# KiCad board data-center-dram-tester.kicad_pcb (continued)
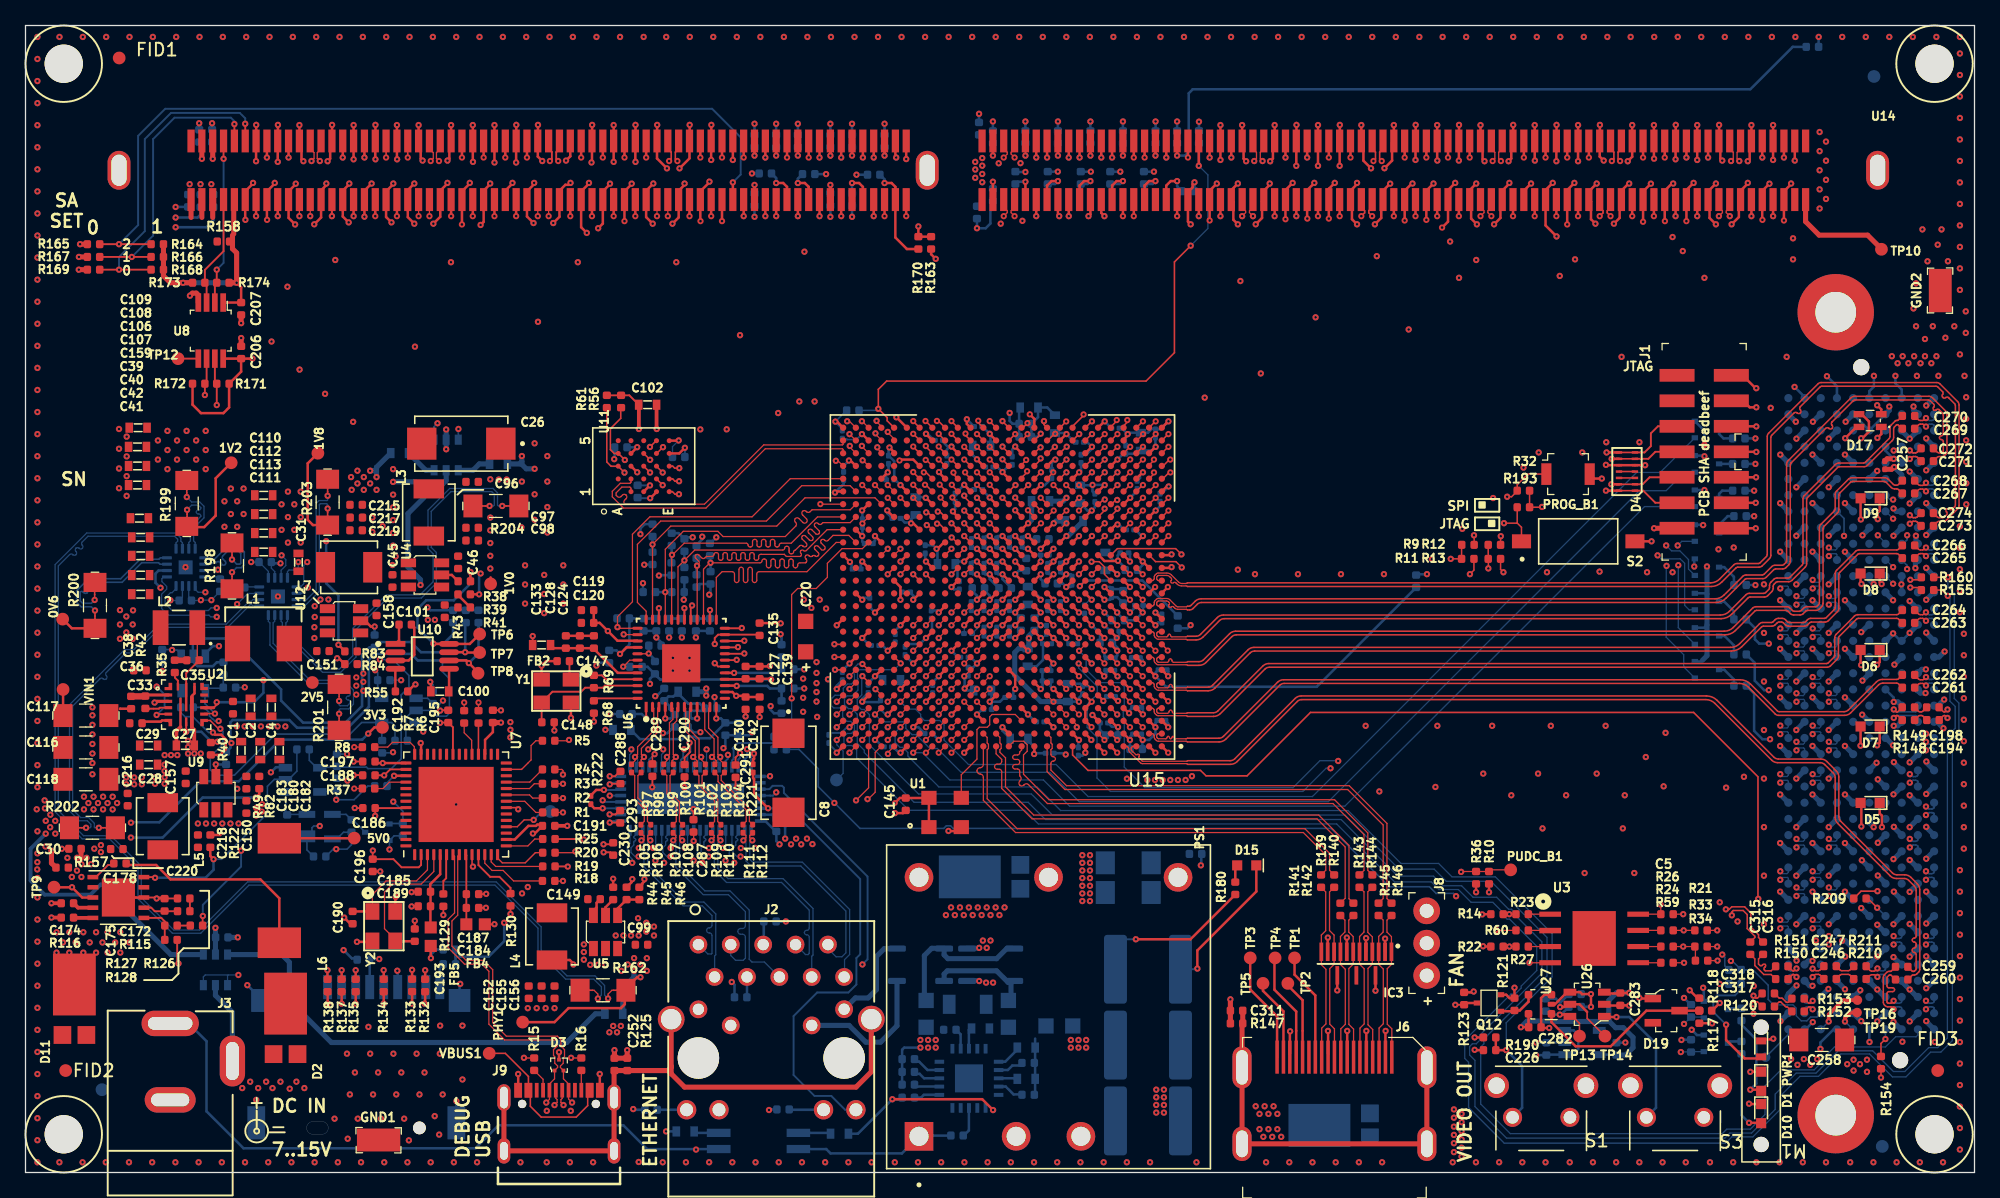
[diagram p0: board, top side]
## Routing (per net, layer and track width the routed paths; a pad name or vN(x,y) marks a point on that pad's centre or on a via; arc(x,y) is an arc through that point) (continued)
GTX_TX7_N: length 87.8
  Top w0.1: U15.P1 88.89,46.44 arc(88.85,46.45) 88.81,46.47 88.76,46.52 arc(88.74,46.56) 88.73,46.59 88.73,46.69 arc(88.74,46.73) 88.76,46.76 88.82,46.82 arc(88.85,46.84) 88.89,46.85 89.49,46.85 arc(89.65,46.82) 89.78,46.73 89.87,46.63 arc(89.91,46.55) 89.87,46.46 arc(89.84,46.37) 89.87,46.28 arc(89.96,46.24) 90.05,46.28 arc(90.14,46.32) 90.23,46.28 90.34,46.17 arc(90.5,46.06) 90.69,46.03 91.04,46.03 arc(91.09,46.01) 91.14,45.98
  Top w0.122: 91.14,45.98 132.23,45.98 arc(132.68,46.07) 133.06,46.32 134.17,47.44 arc(134.24,47.48) 134.31,47.5 135.98,47.5 arc(136.12,47.52) 136.24,47.6 136.81,48.17 arc(136.89,48.29) 136.91,48.43 136.91,57.7 arc(136.93,57.77) 136.97,57.84 138.73,59.6 arc(138.86,59.65) 138.98,59.6 arc(139.1,59.55) 139.23,59.6 arc(139.28,59.72) 139.23,59.85 arc(139.18,59.97) 139.23,60.09 140.77,61.64 arc(140.84,61.68) 140.91,61.7 149.87,61.7 arc(149.94,61.68) 150.01,61.64 150.38,61.26 arc(150.43,61.16) 150.38,61.05 arc(150.34,60.95) 150.38,60.84 150.42,60.8 arc(150.52,60.76) 150.63,60.8 arc(150.74,60.85) 150.84,60.8 151.33,60.32 arc(151.37,60.25) 151.39,60.18 151.39,52.38 arc(151.37,52.31) 151.33,52.24 151.13,52.05 arc(151.02,52) 150.91,52.05 150.91,52.05 arc(150.8,52.1) 150.69,52.05 arc(150.64,51.94) 150.69,51.83 150.69,51.83 arc(150.74,51.72) 150.69,51.61 150.53,51.44 arc(150.46,51.4) 150.39,51.38 150.1,51.38 arc(150.03,51.4) 149.96,51.44 C274.2
GTX_TX7_P: length 87.6
  Top w0.1: 91.14,46.27 91.13,46.26 arc(91.09,46.23) 91.03,46.22 90.73,46.22 arc(90.57,46.25) 90.44,46.33 89.88,46.89 arc(89.72,47) 89.54,47.04 88.85,47.04 arc(88.77,47.02) 88.71,46.98 88.6,46.87 arc(88.56,46.8) 88.54,46.73 88.54,46.61 arc(88.53,46.57) 88.51,46.54 88.45,46.47 arc(88.41,46.45) 88.37,46.44 U15.P2
  Top w0.122: 91.14,46.27 132.18,46.27 arc(132.56,46.35) 132.89,46.56 134,47.68 arc(134.12,47.76) 134.26,47.78 135.93,47.78 arc(136,47.8) 136.07,47.84 136.57,48.34 arc(136.61,48.41) 136.63,48.48 136.63,57.75 arc(136.65,57.89) 136.73,58.01 140.6,61.88 arc(140.72,61.96) 140.86,61.98 149.92,61.98 arc(150.06,61.96) 150.18,61.88 151.57,60.49 arc(151.65,60.37) 151.67,60.23 151.67,52.33 arc(151.65,52.19) 151.57,52.07 150.7,51.2 arc(150.58,51.12) 150.44,51.1 150.1,51.1 arc(150.03,51.08) 149.96,51.04 C273.2
HOT_SWAP_BUTTON: length 78.5
  Top w0.1: U15.C21 v1(68.64,34.94)
  Top w0.2: R190.2 C226.1 v1(116.15,9.6)
  Bottom w0.1: v1(68.64,34.94) 68.22,34.52 68.22,33.74 68.6,33.36 68.81,33.36 69.22,32.95 69.22,32.68 71.65,30.25 79.35,30.25 81.2,28.4 103.75,28.4 107.9,24.25 110.85,24.25 111.9,23.2 115.3,23.2 119.75,18.75 119.75,15.35 116.15,11.75 v1(116.15,9.6)
  Bottom w0.2: S1.1 117.4,5.08 117.4,8.35 v1(116.15,9.6)
HOT_SWAP_GREEN: length 78.7
  Top w0.1: U15.D23 v1(66.64,35.94)
  Bottom w0.1: Q9.1 130.15,54.95 128.7,53.5 126.6,53.5 102.2,29.1 82.65,29.1 80.35,31.4 73.4,31.4 71.53,33.27 70.94,33.27 69.85,34.36 69.54,34.36 69.06,34.84 69.06,35.14 68.84,35.36 67.22,35.36 v1(66.64,35.94)
HOT_SWAP_RED: length 78.6
  Top w0.1: U15.E21 v1(68.64,36.94)
  Bottom w0.1: v1(68.64,36.94) 69.22,36.36 69.81,36.36 70.22,35.95 70.22,35.77 70.52,35.47 71.72,35.47 72.06,35.13 72.06,33.93 73.97,32.02 80.83,32.02 83.35,29.5 100.95,29.5 126.38,54.93 128.23,54.93 Q10.1
HOT_SWAP_YELLOW: length 73.5
  Top w0.1: U15.A20 v1(69.64,32.94)
  Bottom w0.1: Q1.1 127,52.25 103.5,28.75 81.9,28.75 79.85,30.8 72.5,30.8 70.36,32.94 v1(69.64,32.94)
HR_CKN: length 23
  Top w0.1: U11.B1 47.5,53.69 47.41,53.78 46.78,53.78 46.33,53.33 46.33,53.14 46.43,53.04 arc(46.57,52.98) 46.71,53.04 46.83,53.16 arc(46.97,53.22) 47.11,53.16 arc(47.17,53.02) 47.11,52.87 47,52.76 arc(46.94,52.62) 47,52.47 47.03,52.44 53.26,52.44 57.91,57.09 64.08,57.09 64.14,57.15 U15.AE26
HR_CKP: length 23.2
  Top w0.1: U11.B2 47.5,54.16 47.42,54.08 46.66,54.08 46.03,53.45 46.03,53.02 46.91,52.14 53.38,52.14 58.03,56.79 64.08,56.79 64.14,56.73 U15.AD26
HR_CS: length 26.7
  Top w0.1: v1(63.57,55.84) 63.73,55.84 U15.AC26
  Top w0.127: 45.6,59.81 45.6,55.75 45.93,55.42 46.49,55.42 ; 46.49,55.42 v1(46.99,54.92)
  In7.Cu w0.1: v1(63.57,55.84) 63.47,55.84 62.03,54.4 61.57,54.4 59.77,52.6 50.5,52.6 49.51,53.59 49.51,55.13 49.24,55.4 47.47,55.4 v1(46.99,54.92)
HR_DQ0: length 21.5
  Top w0.1: U15.AE23 67.14,57.47 66.67,57.94 v1(66.67,58)
  Top w0.127: 49.48,55.42 v1(49.98,54.92)
  In7.Cu w0.1: v1(66.67,58) 66.67,57.68 66.59,57.6 66.35,57.6 66.14,57.81 66.14,58.17 65.91,58.4 64.38,58.4 63.58,57.6 62.12,57.6 61.72,57.2 61.07,57.2 58.68,54.8 51.17,54.8 51.05,54.92 50.9,54.92 arc(50.79,54.88) 50.75,54.77 50.75,54.47 arc(50.7,54.37) 50.6,54.32 arc(50.49,54.37) 50.45,54.47 50.45,54.77 arc(50.4,54.88) 50.3,54.92 v1(49.98,54.92)
HR_DQ1: length 22.4
  Top w0.1: v1(64.66,57.01) 64.66,56.92 U15.AD25
  Top w0.127: 49.48,54.43 v1(49.98,53.93)
  In7.Cu w0.1: v1(64.66,57.01) 64.35,56.7 62.9,56.7 62.81,56.61 arc(62.67,56.56) 62.53,56.61 arc(62.39,56.67) 62.25,56.62 arc(62.19,56.47) 62.25,56.33 arc(62.31,56.19) 62.25,56.05 62.1,55.9 61.5,55.9 59.3,53.7 56.89,53.7 arc(56.8,53.66) 56.76,53.58 arc(56.73,53.49) 56.64,53.45 56.54,53.45 arc(56.45,53.49) 56.41,53.58 56.41,53.83 arc(56.38,53.91) 56.29,53.95 56.19,53.95 arc(56.1,53.91) 56.06,53.83 56.06,53.58 arc(56.03,53.49) 55.94,53.45 55.84,53.45 arc(55.75,53.49) 55.72,53.58 55.72,53.83 arc(55.68,53.91) 55.59,53.95 55.49,53.95 arc(55.4,53.91) 55.37,53.83 55.37,53.58 arc(55.33,53.49) 55.24,53.45 55.14,53.45 arc(55.05,53.49) 55.01,53.58 55.01,53.83 arc(54.98,53.91) 54.89,53.95 54.79,53.95 arc(54.7,53.91) 54.66,53.83 54.66,53.58 arc(54.63,53.49) 54.54,53.45 54.44,53.45 arc(54.35,53.49) 54.31,53.58 arc(54.28,53.66) 54.19,53.7 51.16,53.7 51.1,53.64 arc(50.99,53.6) 50.89,53.64 50.64,53.89 arc(50.54,53.93) 50.43,53.89 arc(50.39,53.78) 50.43,53.67 50.68,53.43 arc(50.72,53.32) 50.68,53.22 50.64,53.18 50.43,53.18 49.98,53.63 v1(49.98,53.93)
HR_DQ2: length 20.8
  Top w0.1: U15.AF24 65.63,58.95 v1(65.61,58.95)
  Top w0.127: U11.C4 v1(49,55.92)
  In7.Cu w0.1: v1(49,55.92) 49.01,55.94 49.51,55.94 arc(49.67,55.87) 49.74,55.72 49.74,55.69 arc(49.8,55.53) 49.96,55.47 arc(50.12,55.53) 50.19,55.69 50.19,55.72 arc(50.25,55.87) 50.41,55.94 50.44,55.94 arc(50.56,55.89) 50.62,55.77 50.62,55.72 arc(50.67,55.59) 50.79,55.54 arc(50.91,55.59) 50.97,55.72 50.97,55.77 arc(51.02,55.89) 51.14,55.94 51.64,55.94 51.78,55.8 58,55.8 60.8,58.6 62.48,58.6 63.25,59.37 65.19,59.37 v1(65.61,58.95)
HR_DQ3: length 25
  Top w0.1: v1(67.64,58.11) 67.64,58.06 68.14,57.56 U15.AE22
  Top w0.127: 49.51,56.41 v1(50.01,56.91)
  In7.Cu w0.1: v1(50.01,56.91) 50.23,57.14 arc(50.35,57.19) 50.48,57.14 50.64,56.98 arc(50.76,56.93) 50.89,56.98 arc(50.94,57.1) 50.89,57.23 50.32,57.79 arc(50.27,57.92) 50.32,58.04 arc(50.44,58.09) 50.56,58.04 50.73,57.88 arc(50.85,57.83) 50.97,57.88 50.99,57.9 51.51,57.9 arc(51.65,57.84) 51.71,57.7 51.71,57.66 arc(51.77,57.52) 51.91,57.46 arc(52.05,57.52) 52.11,57.66 52.11,57.7 arc(52.17,57.84) 52.31,57.9 52.54,57.9 53.44,57 57.35,57 60.35,60 62.6,60 62.76,60.16 65.71,60.16 66.34,59.53 67.03,59.53 67.24,59.31 67.24,58.51 v1(67.64,58.11)
HR_DQ4: length 22.4
  Top w0.1: U15.AF23 67.14,58.54 66.76,58.92 v1(66.76,58.98)
  Top w0.127: v1(48.98,56.93) 49.48,57.43
  In7.Cu w0.1: v1(66.76,58.98) 66.32,58.98 65.49,59.81 63.01,59.81 62.5,59.3 60.65,59.3 57.75,56.4 53,56.4 arc(52.84,56.47) 52.78,56.62 52.78,56.98 arc(52.71,57.14) 52.55,57.2 arc(52.39,57.14) 52.32,56.98 52.32,56.62 arc(52.26,56.47) 52.1,56.4 49.51,56.4 v1(48.98,56.93)
HR_DQ5: length 20
  Top w0.1: v1(64.46,58.95) 64.63,58.95 U15.AF25
  Top w0.127: v1(51.29,55.27) 51.28,55.27 50.92,55.27 50.77,55.42 U11.E3
  In7.Cu w0.1: v1(51.29,55.27) 58.29,55.27 58.89,55.87 arc(58.92,55.96) 58.89,56.05 arc(58.85,56.13) 58.89,56.22 58.96,56.29 arc(59.05,56.33) 59.14,56.29 59.31,56.12 arc(59.4,56.08) 59.49,56.12 59.56,56.19 arc(59.6,56.27) 59.56,56.36 59.38,56.54 arc(59.35,56.63) 59.38,56.72 59.45,56.79 arc(59.54,56.82) 59.63,56.79 59.81,56.61 arc(59.9,56.57) 59.98,56.61 60.06,56.68 arc(60.09,56.77) 60.06,56.86 59.88,57.04 arc(59.84,57.12) 59.88,57.21 59.95,57.28 arc(60.04,57.32) 60.13,57.28 60.3,57.11 arc(60.39,57.07) 60.48,57.11 60.55,57.18 arc(60.59,57.26) 60.55,57.35 arc(60.51,57.44) 60.55,57.53 60.92,57.9 61,57.9 arc(61.14,57.84) 61.2,57.7 61.2,57.63 arc(61.26,57.49) 61.4,57.43 arc(61.54,57.49) 61.6,57.63 61.6,57.7 arc(61.66,57.84) 61.8,57.9 62.03,58.13 62.69,58.13 arc(62.83,58.19) 62.89,58.33 62.89,58.48 arc(62.95,58.62) 63.09,58.68 arc(63.23,58.62) 63.29,58.48 63.29,58.33 arc(63.35,58.19) 63.49,58.13 63.64,58.13 v1(64.46,58.95)
HR_DQ6: length 22.2
  Top w0.1: U15.AE25 v1(64.64,57.94)
  Top w0.127: U11.E2 50.77,54.42 50.95,54.24 v1(51.27,54.24)
  In7.Cu w0.1: v1(64.64,57.94) 63.85,57.15 62.28,57.15 61.63,56.5 61.3,56.5 61.19,56.39 arc(61.08,56.35) 60.98,56.39 arc(60.87,56.43) 60.77,56.39 60.73,56.35 arc(60.69,56.25) 60.73,56.14 60.94,55.93 arc(60.99,55.82) 60.94,55.72 60.91,55.68 arc(60.8,55.64) 60.7,55.68 60.48,55.9 arc(60.38,55.94) 60.27,55.9 60.24,55.86 arc(60.19,55.75) 60.24,55.65 60.45,55.44 arc(60.49,55.33) 60.45,55.22 60.41,55.19 arc(60.31,55.14) 60.2,55.19 59.99,55.4 arc(59.88,55.44) 59.78,55.4 59.74,55.36 arc(59.7,55.26) 59.74,55.15 59.95,54.94 arc(60,54.83) 59.95,54.73 59.92,54.69 arc(59.81,54.65) 59.71,54.69 59.49,54.91 arc(59.39,54.95) 59.28,54.91 59.25,54.87 arc(59.2,54.76) 59.25,54.66 arc(59.29,54.55) 59.25,54.45 59.03,54.23 58.85,54.23 arc(58.74,54.19) 58.7,54.08 arc(58.66,53.97) 58.55,53.93 58.5,53.93 arc(58.39,53.97) 58.35,54.08 58.35,54.4 arc(58.3,54.53) 58.18,54.58 arc(58.05,54.53) 58,54.4 58,54.08 arc(57.96,53.97) 57.85,53.93 57.8,53.93 arc(57.69,53.97) 57.65,54.08 57.65,54.4 arc(57.6,54.53) 57.48,54.58 arc(57.35,54.53) 57.3,54.4 57.3,54.08 arc(57.26,53.97) 57.15,53.93 57.1,53.93 arc(56.99,53.97) 56.95,54.08 arc(56.91,54.19) 56.8,54.23 56.62,54.23 56.43,54.42 56.23,54.42 56.04,54.23 51.28,54.23 v1(51.27,54.24)
HR_DQ7: length 24
  Top w0.1: v1(65.61,57.01) 65.61,56.97 U15.AD24
  Top w0.127: v1(51.26,53.22) 50.95,53.22 50.75,53.42 U11.E1
  In7.Cu w0.1: v1(65.61,57.01) 65.34,56.74 65.1,56.74 64.72,56.36 63.23,56.36 62.07,55.2 61.58,55.2 arc(61.47,55.16) 61.37,55.2 arc(61.26,55.24) 61.16,55.2 61.12,55.16 arc(61.08,55.06) 61.12,54.95 61.35,54.72 arc(61.4,54.6) 61.35,54.48 arc(61.23,54.42) 61.1,54.48 60.87,54.71 arc(60.77,54.75) 60.66,54.71 60.63,54.67 arc(60.58,54.56) 60.63,54.46 60.86,54.23 arc(60.91,54.1) 60.86,53.98 arc(60.73,53.93) 60.61,53.98 60.38,54.21 arc(60.27,54.25) 60.17,54.21 60.13,54.17 arc(60.09,54.07) 60.13,53.96 60.36,53.73 arc(60.41,53.61) 60.36,53.49 arc(60.24,53.43) 60.11,53.49 arc(59.99,53.54) 59.87,53.49 arc(59.83,53.4) 59.87,53.31 59.9,53.27 arc(59.94,53.18) 59.9,53.1 arc(59.81,53.06) 59.72,53.1 59.69,53.13 arc(59.6,53.17) 59.51,53.13 59.51,53.13 arc(59.46,53.1) 59.4,53.09 59.36,53.09 arc(59.26,53.13) 59.21,53.24 59.21,53.29 arc(59.16,53.41) 59.04,53.46 arc(58.91,53.41) 58.86,53.29 58.86,52.94 arc(58.83,52.85) 58.74,52.81 58.64,52.81 arc(58.55,52.85) 58.51,52.94 58.51,53.29 arc(58.46,53.41) 58.34,53.46 arc(58.21,53.41) 58.16,53.29 58.16,52.94 arc(58.13,52.85) 58.04,52.81 57.94,52.81 arc(57.85,52.85) 57.81,52.94 57.81,53.29 arc(57.76,53.41) 57.64,53.46 arc(57.51,53.41) 57.46,53.29 57.46,52.94 arc(57.43,52.85) 57.34,52.81 57.24,52.81 arc(57.15,52.85) 57.11,52.94 arc(57.08,53.03) 56.99,53.06 51.97,53.06 51.81,53.22 v1(51.26,53.22)
HR_RST: length 29.9
  Top w0.1: v1(65.67,55.88) 65.7,55.88 U15.AC24
  Top w0.127: U11.A4 46.17,56.42 45.88,56.71 45.88,58.36 46.69,59.18 46.69,59.86 ; 46.51,56.41 v1(47.01,55.91)
  In7.Cu w0.1: v1(47.01,55.91) 46.99,55.91 46.32,55.25 46.32,54.58 49.4,51.5 60.37,51.5 61.87,53 62.12,53 63.75,54.62 64.92,54.62 65.67,55.37 v1(65.67,55.88)
HR_RW: length 24.1
  Top w0.1: v1(66.82,56.9) 66.82,56.81 67.14,56.49 U15.AD23
  Top w0.127: 48.49,55.42 v1(48.99,54.92)
  In7.Cu w0.1: v1(48.99,54.92) 48.58,54.51 48.58,53.63 48.85,53.36 49.14,53.36 49.5,53 49.5,52.8 50.3,52 59.98,52 61.68,53.7 62.03,53.7 63.59,55.26 64.72,55.26 65.15,55.69 65.15,56.15 65.4,56.4 66.31,56.4 v1(66.82,56.9)
INIT_B: length 77.3
  Top w0.1: U15.G7 83.11,39.44 v1(82.61,39.94)
  In9.Cu w0.1: v1(102.37,31.72) 103.44,30.65 110.77,30.65 111.22,30.2 113.1,30.2 122.67,20.63 128.93,20.63 129.1,20.8 130.08,20.8 131,19.88 131,13.6 129.31,11.91 129.31,9.99 v1(129.85,9.45)
  Bottom w0.1: v1(102.37,31.72) 102.02,31.72 100.2,29.9 85.1,29.9 84.05,30.95 84.05,34.15 83.28,34.92 83.28,36.73 84.07,37.52 84.07,38.13 82.61,39.59 v1(82.61,39.94) ; Q8.1 130.69,9.48 R28.2 ; 130.64,9.47 129.87,9.47 v1(129.85,9.45)
INT_LED_LINK: length 38.4
  Top w0.2: R221.2 57.07,30.95 57.15,30.88 57.15,29.68 v1(58.25,28.58)
  Bottom w0.15: U16.26 59.92,28.58 65.47,23.03 65.47,17.12 65.18,16.83 65.18,14.75 64.55,14.12 62.1,14.12 60.25,12.28 60.25,7.65 61.89,6.01 63.21,6.01 64.29,4.92 J2.18
INT_LED_SPD: length 33.2
  Top w0.2: R222.1 44.35,28.85 44.62,28.58 v1(45.27,28.58)
  In7.Cu w0.15: J2.16 54.4,6.11 53.98,6.53 51.67,6.53 50.2,8 50.2,10.31 48.85,11.66 48.85,14.89 49.87,15.91 49.87,19.77 48.91,20.73 47.79,20.73 46.54,21.98 46.54,28 45.97,28.58 v1(45.27,28.58)
  Bottom w0.15: v1(45.27,28.58) 45.28,28.58 U16.51
LED_LINK: length 15.1
  Top w0.2: U6.17 v1(55.59,39.2) ; v1(57.14,32.87) 57.15,32.86 57.15,32.45 57.1,32.45 57.07,32.42 R221.1
  In7.Cu w0.15: v1(55.59,39.2) 54.96,38.58 54.96,35.81 57.14,33.63 v1(57.14,32.87)
  Bottom w0.15: v1(57.14,32.87) 56.9,32.63 56.9,31.82 U16.20
  Bottom w0.2: 59.3,40.44 R81.1 59.02,39.2 v1(55.59,39.2)
LED_SPD: length 27.5
  Top w0.2: R222.2 44.35,29.6 44.77,30.02 v1(45.37,30.02) ; v1(55.79,38.18) 55.76,38.2 U6.15
  In7.Cu w0.15: v1(45.37,30.02) 45.38,30.02 46.53,30.02 46.76,30.25 46.76,35.33 48.96,37.53 48.96,37.56 49.84,38.44 53.87,38.44 55.13,39.7 55.9,39.7 56.2,39.4 56.2,38.59 v1(55.79,38.18)
  Bottom w0.15: U16.54 46.62,30.02 45.38,30.02 v1(45.37,30.02)
  Bottom w0.2: R95.1 59.31,37.97 ; v1(55.79,38.18) 58.19,38.18 58.39,37.98 R80.1
MODE0: length 29.9
  Top w0.12: U15.T5 85.65,48.95 90.22,48.95 v1(90.68,48.5) ; v1(111.8,48.15) R11.1 112.65,49.23 R9.1
  In7.Cu w0.12: v1(90.68,48.5) 90.68,48.45 91.25,47.88 108.9,47.88 109.7,48.67 111.28,48.67 v1(111.8,48.15)
MODE1: length 29.3
  Top w0.12: v1(90.7,47.47) 90.25,47.93 88.65,47.93 U15.T2 ; v1(114.75,47.4) 114.75,48.14 R13.1 R12.1
  In7.Cu w0.12: v1(90.7,47.47) 91.05,47.12 93.92,47.12 94.18,46.87 95.54,46.87 96.06,47.38 114.73,47.38 v1(114.75,47.4)
MODE2: length 40.4
  Top w0.12: U15.P5 84.64,46.94 84.64,47.52 84.23,47.92 v1(83.62,47.92) ; 117.01,50.96 117,50.95 v1(115.97,50.95) ; 117.01,50.96 R193.1 ; 117.01,50.96 117.35,50.62 S2.1
  In7.Cu w0.12: v1(83.62,47.92) 84.63,48.93 91.34,48.93 91.85,48.42 108.15,48.42 110.7,50.97 115.95,50.97 v1(115.97,50.95)
NC: length 10.1
  Top w0.4: v1(2.04,25.24) 2.04,24.28 R157.2 ; U14.145 139.64,74.61 140.7,73.55 144.5,73.55 145.59,72.46 TP10.1
  vias: v1(0.93,24.35) v1(0.92,23.78) v1(1.57,25.58) v1(140.74,81.64) v1(140.74,80.14) v1(140.74,78.64) v1(140.74,77.14) v1(140.74,75.64) v1(141.24,80.89) v1(141.24,79.39) v1(141.24,77.89) v1(141.24,76.39)
NC\C2: length 46.5
  Top w0.127: v3(80.66,51.94) 80.64,51.94 U15.W10
  Top w0.2: U14.235 v1(58.04,75.04)
  In5.Cu w0.09: 77.47,60.44 77.47,60.02 77.6,59.89 77.6,59.17 77.2,58.77 77.2,53.78 77.5,53.48 77.72,53.48 78.75,52.45 80.15,52.45 v3(80.66,51.94)
  In5.Cu w0.146: 77.47,60.44 77.47,66.73 73.5,70.7 arc(73.41,70.91) 73.5,71.12 73.64,71.27 arc(73.73,71.48) 73.64,71.69 arc(73.43,71.78) 73.22,71.69 72.51,70.98 arc(72.3,70.89) 72.09,70.98 arc(72,71.19) 72.09,71.41 72.79,72.11 arc(72.88,72.33) 72.79,72.54 arc(72.58,72.63) 72.37,72.54 72.23,72.4 arc(72.02,72.31) 71.8,72.4 70.62,73.58 65.6,73.58 64.63,74.55 60.3,74.55 59.25,75.6 58.6,75.6 v1(58.04,75.04)
ODT0: length 44.9
  Top w0.127: U15.Y13 v1(76.64,52.94)
  Top w0.2: U14.87 v2(61.44,79.64)
  In2.Cu w0.1: 76.2,60.4 76.2,58.23 77.12,57.31 77.12,56.81 77.5,56.43 77.5,54.5 76.64,53.64 v1(76.64,52.94)
  In2.Cu w0.16: 76.2,60.4 76.2,66.7 71.8,71.1 71.18,71.1 70.8,71.48 70.8,72.6 69.8,73.6 63.09,73.6 61.8,74.89 61.8,75.74 arc(61.89,75.95) 62.1,76.04 64.19,76.04 arc(64.4,76.13) 64.49,76.34 arc(64.4,76.55) 64.19,76.64 62.1,76.64 arc(61.89,76.73) 61.8,76.94 61.8,78.7 61.44,79.06 v2(61.44,79.64)
ODT1\NC: length 46.8
  Top w0.127: U15.W9 81.64,51.94 v3(81.66,51.94)
  Top w0.2: U14.91 v1(58.04,79.64)
  In5.Cu w0.09: 78.87,60.44 78.87,59.59 78.65,59.37 78.65,54.7 79.18,54.17 79.18,53.72 79.5,53.4 79.76,53.4 80.84,52.33 81.27,52.33 v3(81.66,51.94)
  In5.Cu w0.146: v1(58.04,79.64) 59.08,78.6 61.1,78.6 62.9,76.8 65.9,76.8 67.22,75.47 71.93,75.47 72.5,74.9 arc(72.68,74.82) 72.86,74.9 72.86,74.89 72.99,75.03 arc(73.17,75.1) 73.35,75.03 arc(73.42,74.85) 73.35,74.68 73.21,74.54 arc(73.14,74.36) 73.21,74.19 78.87,68.53 78.87,60.44
PARITY: length 39.9
  Top w0.127: U15.AE13 v2(77.64,57.94)
  Top w0.2: U14.222 v2(69.09,75.04)
  In2.Cu w0.1: 77.32,60.45 77.33,60.45 77.33,60.22 77.64,59.91 v2(77.64,57.94)
  In2.Cu w0.16: 77.32,60.45 77.32,61.38 arc(77.37,61.48) 77.47,61.53 arc(77.58,61.57) 77.62,61.67 77.62,61.83 arc(77.58,61.93) 77.47,61.97 77.18,61.97 arc(77.07,62.02) 77.03,62.12 77.03,62.28 arc(77.07,62.38) 77.18,62.42 77.47,62.42 arc(77.58,62.47) 77.62,62.58 77.62,62.72 arc(77.58,62.83) 77.47,62.88 77.18,62.88 arc(77.07,62.92) 77.03,63.03 77.03,63.17 arc(77.07,63.28) 77.18,63.33 77.47,63.33 arc(77.58,63.37) 77.62,63.47 77.62,63.62 arc(77.58,63.73) 77.47,63.78 77.18,63.78 arc(77.07,63.82) 77.03,63.92 77.03,64.08 arc(77.07,64.18) 77.18,64.22 77.47,64.22 arc(77.58,64.27) 77.62,64.38 77.62,64.53 arc(77.58,64.63) 77.47,64.67 77.18,64.67 arc(77.07,64.72) 77.03,64.83 77.03,64.97 arc(77.07,65.08) 77.18,65.12 77.47,65.12 arc(77.58,65.17) 77.62,65.28 77.62,65.42 arc(77.58,65.53) 77.47,65.58 77.18,65.58 arc(77.07,65.62) 77.03,65.72 77.03,65.88 arc(77.07,65.98) 77.18,66.03 77.47,66.03 arc(77.58,66.07) 77.62,66.17 77.62,66.33 arc(77.58,66.43) 77.47,66.47 77.18,66.47 arc(77.07,66.52) 77.03,66.62 77.03,66.78 arc(77.07,66.88) 77.18,66.92 77.47,66.92 arc(77.58,66.97) 77.62,67.08 77.62,67.22 arc(77.58,67.33) 77.47,67.38 arc(77.37,67.42) 77.32,67.53 77.32,67.97 77.16,68.14 arc(77,68.2) 76.85,68.14 76.78,68.07 arc(76.62,68) 76.46,68.07 arc(76.39,68.22) 76.46,68.38 76.92,68.84 arc(76.98,69) 76.92,69.16 arc(76.76,69.23) 76.6,69.16 76.14,68.7 arc(75.98,68.64) 75.82,68.7 arc(75.75,68.86) 75.82,69.02 76.28,69.48 arc(76.35,69.64) 76.28,69.8 arc(76.12,69.86) 75.96,69.8 75.5,69.34 arc(75.34,69.27) 75.18,69.34 arc(75.12,69.5) 75.18,69.66 75.25,69.73 arc(75.32,69.89) 75.25,70.05 arc(75.1,70.11) 74.94,70.05 74.87,69.97 arc(74.71,69.91) 74.55,69.97 arc(74.48,70.13) 74.55,70.29 74.62,70.36 arc(74.68,70.52) 74.62,70.68 arc(74.46,70.75) 74.3,70.68 74.23,70.61 arc(74.07,70.55) 73.91,70.61 arc(73.85,70.77) 73.91,70.93 73.98,71 arc(74.05,71.16) 73.98,71.32 arc(73.82,71.38) 73.66,71.32 73.59,71.25 arc(73.43,71.18) 73.27,71.25 arc(73.21,71.41) 73.27,71.57 73.35,71.64 arc(73.41,71.8) 73.35,71.95 arc(73.19,72.02) 73.03,71.95 72.96,71.88 arc(72.8,71.82) 72.64,71.88 arc(72.57,72.04) 72.64,72.2 72.71,72.27 arc(72.78,72.43) 72.71,72.59 arc(72.55,72.66) 72.39,72.59 72.18,72.38 arc(72.02,72.31) 71.86,72.38 arc(71.79,72.54) 71.86,72.7 72.07,72.91 arc(72.14,73.07) 72.07,73.23 arc(71.91,73.29) 71.75,73.23 71.54,73.02 arc(71.38,72.95) 71.22,73.02 arc(71.16,73.17) 71.22,73.33 71.44,73.55 arc(71.5,73.7) 71.44,73.86 arc(71.28,73.93) 71.12,73.86 70.91,73.65 arc(70.75,73.59) 70.59,73.65 arc(70.52,73.81) 70.59,73.97 70.8,74.18 arc(70.87,74.34) 70.8,74.5 70.22,75.08 69.13,75.08 v2(69.09,75.04)
PROGRAM_B: length 44.6
  Top w0.12: PROG_B1.1 117.85,54.8 117.01,53.97 R32.2 117.01,53.47 116.57,53.03 v1(116.22,53.03)
  Top w0.127: U15.P6 v1(83.64,45.94)
  In7.Cu w0.12: v1(116.22,53.03) 115.53,52.33 110.95,52.33 107.55,48.92 92.65,48.92 92.1,49.47 83.56,49.47 82.12,48.04 82.12,46.65 82.34,46.44 83.14,46.44 v1(83.64,45.94)
PRSNT_M2C: length 103.7
  Top w0.1: v1(66.67,37.93) 67.14,37.46 U15.E23
  In2.Cu w0.1: v1(66.67,37.93) 66.15,37.4 66.15,31.7 v1(63.45,29)
  In7.Cu w0.127: v1(133.78,16.6) 133.78,17.23 129.3,21.7 115.5,21.7 115.3,21.5 113.4,21.5 113.22,21.68 v1(112.22,21.68)
  Bottom w0.1: 139.3,11.9 138.9,12.3 138.9,12.9 138.65,13.15 138.25,13.15
  Bottom w0.11: 138.25,13.15 137.13,13.15
  Bottom w0.12: J5.H2 140.52,12.2 140.03,12.2 139.73,11.9 139.3,11.9 ; 137.13,13.15 136.7,13.58 136.7,14.7 135.5,15.9 R208.1 133.88,16.6 v1(133.78,16.6)
  Bottom w0.127: v1(112.22,21.68) 112,21.9 110.65,21.9 110.12,22.42 106.97,22.42 102.4,27 72.77,27 72.57,27.2 72.23,27.2 72.03,27 65.46,27 62.19,30.27 62.19,31.68 60.67,33.2 R205.1
PUDC_B: length 59.4
  Top w0.1: U15.B25 v1(64.64,33.94) ; R10.2 R36.1 112.64,23.62 v1(112.61,23.59) ; 114.93,23.75 PUDC_B1.1
  In9.Cu w0.1: 112.64,23.61 112.64,24.96 111.16,26.44 83.96,26.44 80,30.4 65.75,30.4 64.14,32.01 64.14,33.44 v1(64.64,33.94)
QSPI_DQ0: length 78.4
  Top w0.1: R59.2 v1(130.1,16.46) ; U15.B24 v1(65.64,33.94)
  In9.Cu w0.1: v1(65.64,33.94) 65.64,32.16 66.6,31.2 80.4,31.2 84.16,27.44 111.71,27.44 115.94,23.21 ; v1(130.1,16.46) 129.59,15.95 117,15.95 115.94,17.01 115.94,23.21
QSPI_DQ1: length 61.4
  Top w0.1: v1(115.36,19.04) 115.41,19 R60.2 ; U15.A25 v1(64.64,32.94)
  In9.Cu w0.1: 115.4,23 115.4,19.05 ; 115.39,23.01 111.46,26.94 84.06,26.94 80.2,30.8 66.18,30.8 64.64,32.34 v1(64.64,32.94)
QSPI_DQ2: length 63.5
  Top w0.1: R22.2 v1(116.4,17.73) R27.2 ; U15.B22 v1(67.64,33.94)
  In9.Cu w0.1: v1(67.64,33.94) 67.09,33.39 67.09,32.51 67.6,32 80.8,32 84.36,28.44 112.31,28.44 117.44,23.31 117.44,18.76 116.43,17.74
QSPI_DQ3: length 70.8
  Top w0.1: R21.2 v1(130.07,19) R26.2 ; v1(67.65,32.85) 67.65,32.95 U15.A22
  In9.Cu w0.1: 122.63,19.01 130.1,19.01 ; 122.63,19.01 112.71,28.94 84.46,28.94 81,32.4 67.8,32.4 67.65,32.55 v1(67.65,32.85)
SA0: length 25.8
  Top w0.15: U14.139 v1(17.24,82.29) ; R168.2 v1(7.34,70.84) R169.1
  Bottom w0.15: v1(7.34,70.84) 7.34,71.84 9.36,73.86 9.36,81.09 11.41,83.14 16.81,83.14 17.24,82.71 v1(17.24,82.29)
SA1: length 22.7
  Top w0.15: R166.2 v1(8.34,71.84) R167.1 ; U14.140 v1(16.39,82.26)
  Bottom w0.15: v1(8.34,71.84) 10.01,73.51 10.01,81.09 11.69,82.76 16.11,82.76 16.39,82.49 v1(16.39,82.26)
SA2: length 67.4
  Top w0.15: R164.2 v1(7.34,72.84) R165.1
  Top w0.2: U14.238 v1(55.49,77.69)
  Bottom w0.15: v1(55.49,77.69) 56.1,78.3 56.1,81.22 53.86,83.46 10.96,83.46 8.84,81.34 8.84,74.34 v1(7.34,72.84)
SCL_2V5: length 12.8
  Top w0.15: U8.2 14.86,69.64 ; 15,69.79 v1(15,70.84) ; U14.141 v1(15.54,79.54)
  Bottom w0.15: v1(15,70.84) 15.54,71.37 v1(15.54,79.54)
SCL_3V3: length 99.1
  Top w0.1: U15.E25 v1(64.64,36.94)
  Top w0.15: U8.7 14.86,62.04 ; v1(15,60.22) R171.2
  In2.Cu w0.1: v1(15,60.22) 16.96,60.22 22.32,54.85 22.32,49.53 21.4,48.6 v1(21.4,47.9) 21.4,47.3 22.75,45.95 25.88,45.95 31.01,40.82 31.01,35.41 33.92,32.5 37.9,32.5 38.7,31.7 45.81,31.7 46.81,30.7 57.55,30.7 57.96,30.29 63.69,30.29 65.15,31.75 65.15,36.43 v1(64.64,36.94)
  In9.Cu w0.1: v1(21.4,47.9) 21.4,45.8 19.6,44 15.3,44 v1(15,44.3)
  Bottom w0.1: v1(15,44.3) 14.55,44.3 14.35,44.1 11.5,44.1 10.95,44.65 10.95,45.07 11.38,45.5 11.5,45.5 11.81,45.81 U19.4 ; v1(21.4,47.9) 21.4,47.45 21.22,47.28 20.67,47.28 20.55,47.15 U20.4
SD_CD: length 72.3
  Top w0.1: U15.F9 v3(81.64,37.94)
  In2.Cu w0.1: v1(37.55,19.6) 37.96,19.6 41,22.64 41,23.45 42.05,24.5 42.9,24.5 43.35,24.05 45.35,24.05 45.52,23.88 61.68,23.88 66.75,28.95 66.75,29.85 68,31.1 69.3,31.1 69.42,31.22 arc(69.48,31.37) 69.42,31.51 69.29,31.65 arc(69.23,31.79) 69.29,31.93 arc(69.43,31.99) 69.57,31.93 69.71,31.79 arc(69.85,31.73) 69.99,31.79 70.09,31.89 70.5,31.89 arc(70.62,31.94) 70.68,32.06 70.68,32.11 arc(70.73,32.24) 70.85,32.29 arc(70.97,32.24) 71.03,32.11 71.03,31.67 arc(71.08,31.54) 71.2,31.49 arc(71.32,31.54) 71.38,31.67 71.38,32.11 arc(71.43,32.24) 71.55,32.29 arc(71.67,32.24) 71.72,32.11 71.72,31.67 arc(71.78,31.54) 71.9,31.49 arc(72.02,31.54) 72.07,31.67 72.07,31.72 arc(72.13,31.84) 72.25,31.89 74.18,31.89 arc(74.32,31.95) 74.38,32.09 74.38,32.69 arc(74.44,32.83) 74.58,32.89 arc(74.72,32.83) 74.78,32.69 74.78,32.09 arc(74.84,31.95) 74.98,31.89 arc(75.12,31.95) 75.18,32.09 75.18,32.69 arc(75.24,32.83) 75.38,32.89 arc(75.52,32.83) 75.58,32.69 75.58,32.09 arc(75.64,31.95) 75.78,31.89 arc(75.92,31.95) 75.98,32.09 75.98,32.69 arc(76.04,32.83) 76.18,32.89 arc(76.32,32.83) 76.38,32.69 76.38,32.09 arc(76.44,31.95) 76.58,31.89 arc(76.72,31.95) 76.78,32.09 76.78,32.69 arc(76.84,32.83) 76.98,32.89 arc(77.12,32.83) 77.18,32.69 77.18,32.09 arc(77.24,31.95) 77.38,31.89 77.62,31.89 78,32.28 78,33.2 79.86,35.06 79.86,35.91 80.18,36.22 80.18,37.09 80.6,37.52 81.22,37.52 v3(81.64,37.94)
  Bottom w0.2: 33.74,16.94 36.34,16.94 37.55,18.15 v1(37.55,19.6) ; 33.74,16.94 R136.1 ; 33.74,16.94 R131.2
SD_CLK: length 75.8
  Top w0.1: U15.D10 v3(80.64,35.94)
  Top w0.2: R134.2 28.1,15.87 v1(28.09,15.88)
  In2.Cu w0.1: v1(28.09,15.88) 28.09,16.17 28.3,16.38 28.3,16.8 30,18.5 37.75,18.5 41.74,22.49 41.74,23.05 42.16,23.47 42.88,23.47 43.05,23.3 45.31,23.3 45.48,23.47 49.18,23.47 49.5,23.15 62,23.15 67.32,28.47 67.32,29.62 68.1,30.4 69.6,30.4 70.43,31.22 72.38,31.22 arc(72.51,31.17) 72.56,31.05 72.56,31.01 arc(72.61,30.89) 72.74,30.84 arc(72.86,30.89) 72.91,31.01 72.91,31.49 arc(72.96,31.61) 73.09,31.66 arc(73.21,31.61) 73.26,31.49 73.26,31.01 arc(73.31,30.89) 73.44,30.84 arc(73.56,30.89) 73.61,31.01 73.61,31.49 arc(73.66,31.61) 73.78,31.66 arc(73.91,31.61) 73.96,31.49 73.96,31.01 arc(74.01,30.89) 74.13,30.84 arc(74.26,30.89) 74.31,31.01 74.31,31.49 arc(74.36,31.61) 74.49,31.66 arc(74.61,31.61) 74.66,31.49 74.66,31.01 arc(74.71,30.89) 74.84,30.84 arc(74.96,30.89) 75.01,31.01 75.01,31.49 arc(75.06,31.61) 75.19,31.66 arc(75.31,31.61) 75.36,31.49 75.36,31.01 arc(75.41,30.89) 75.53,30.84 arc(75.66,30.89) 75.71,31.01 75.71,31.49 arc(75.76,31.61) 75.88,31.66 arc(76.01,31.61) 76.06,31.49 76.06,31.01 arc(76.11,30.89) 76.24,30.84 arc(76.36,30.89) 76.41,31.01 76.41,31.49 arc(76.46,31.61) 76.59,31.66 arc(76.71,31.61) 76.76,31.49 76.76,31.01 arc(76.81,30.89) 76.94,30.84 arc(77.06,30.89) 77.11,31.01 77.11,31.49 arc(77.16,31.61) 77.28,31.66 arc(77.41,31.61) 77.46,31.49 77.46,31.4 arc(77.51,31.28) 77.63,31.22 77.72,31.22 arc(77.76,31.23) 77.79,31.25 78.65,32.11 78.65,33.2 80.22,34.77 80.22,35.52 80.64,35.94 v3(80.64,35.94)